# Altium PCB main.PcbDoc (part 2 of 2)
Units mm, origin at the board's own origin, x right, y up, seen from the top; angles counter-clockwise.
Board outline 360 x 125 mm, 2 copper layers (Top Layer, Bottom Layer); 150 components, 259 nets, 682 pads, 0 vias.
Unrouted connection lines stored in the file: 75.
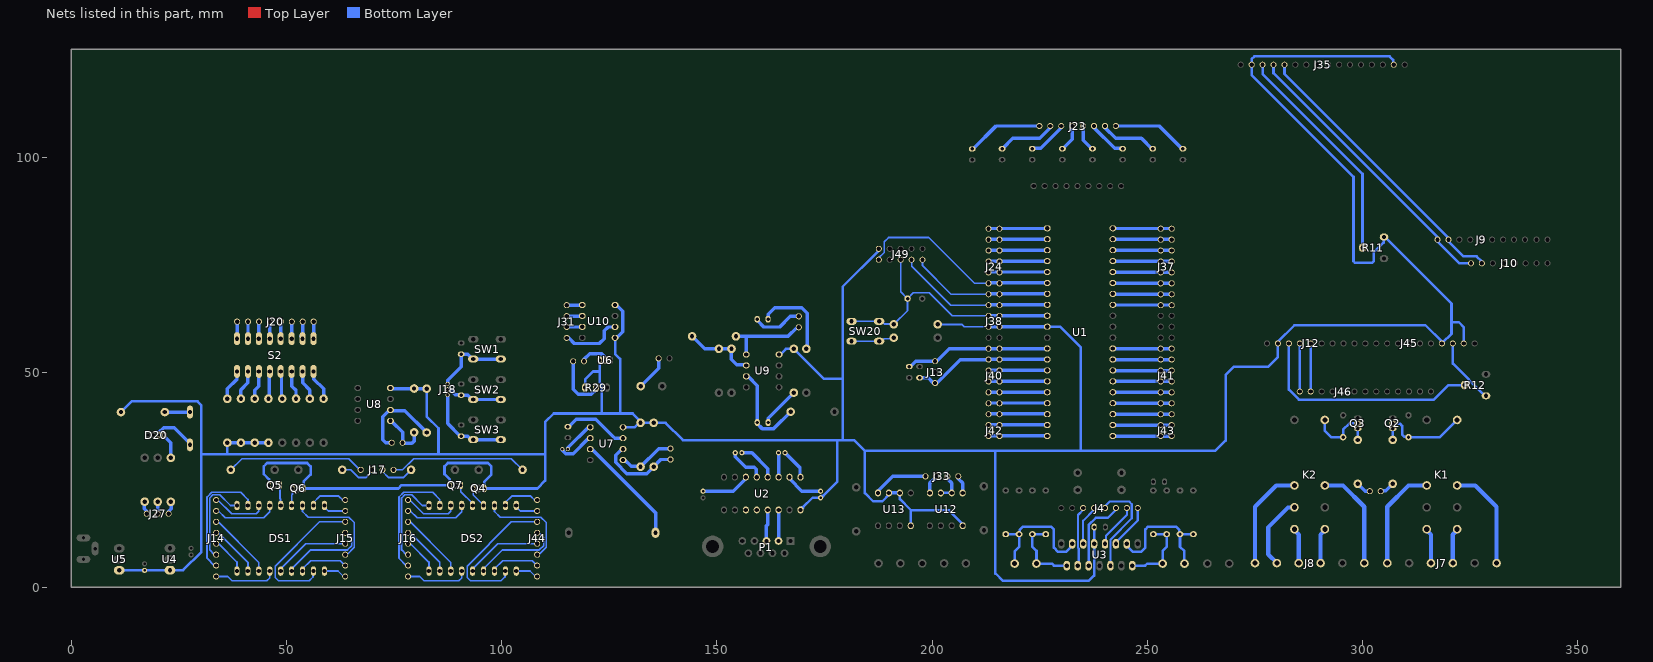
[diagram p2: the nets of this part, all layers, seen from the top]

## Nets (pads, with @x,y where several pads share a name; then routed paths per layer and width w, separated by ;. In a path a pad name is that pad's centre, name@x,y a point inside that pad or via, vN(x,y) a via of type N, cw(c..) or ccw(c..) an arc to the next point about the centre after c; other vN are vias at no path point) (continued)
LEDA_: C4.2 C9.2 C15.1 J12.2 J35.2 J35.15 J38.3 J38.4 J45.8 J48.1 J49.2 Q4.3 Q5.3 Q6.3 Q7.3 R1.2 R11.3 R21.2 R22.2 R23.2 R24.2 R29.3 R30.1 R31.1 R32.2 R33.2 R34.2 R48.1 U1.10 U2.16 U3.9 U4.1 U5.3 U6.3 U7.8 U8.8 U9.8 U10.5 U10.8 U12.8 U13.2 U13.3 U13.8 | length 982.9
  Top Layer w0.4: Q6.3@53.928,22.968 Q6.3@53.928,23.206
  Bottom Layer w0.4: R1.2@201.3,61.1 206.9,61.1 207.44,60.56 J38.3@213.13,60.56
  Bottom Layer w0.6: U5.3@11.1,3.96 C15.1@16.978,3.96 ; R34.2@11.515,40.726 13.989,43.2 29.3,43.2 30.2,42.3 30.2,8.241 25.959,4 U4.1@22.9,4 ; C15.1@17,3.938 U4.1@22.838,3.938 ; 30.28,30.9 36.2,30.9 ; R21.2@36.23,33.6 36.23,30.93 36.2,30.9 ; Q5.3@45.927,23.73 45.927,25.068 44.695,26.3 44.695,28.1 45.495,28.9 54.795,28.9 55.595,28.1 55.595,26.2 53.966,24.571 Q6.3@53.966,23.006 ; Q6.3@53.928,22.968 75.968,22.968 76.73,23.73 Q7.3@87.932,23.73 87.932,25.068 86.7,26.3 86.7,28.1 87.5,28.9 96.8,28.9 97.6,28.1 97.6,26.2 95.971,24.571 95.971,23.006 Q4.3@95.933,22.968 108.268,22.968 110.1,24.8 110.1,30.9 ; R33.2@82.539,46.171 82.539,39.727 85.3,36.966 85.3,30.9 ; R29.3@119.378,46.43 119.378,48.278 121.259,50.159 122.807,50.159 ; U6.3@122.807,52.78 122.807,50.159 ; U10.5@126.34,57.99 126.34,54.26 127.5,53.1 127.5,40.4 ; U7.8@128.186,37.191 130.889,37.191 R31.1@131.925,38.227 ; R31.1@132.25,38.227 R30.1@135.298,38.227 138.073,38.227 142.1,34.2 178,34.2 ; R31.1@132.25,38.552 130.402,40.4 127.5,40.4 ; U9.8@164.74,54.11 166.03,55.4 R48.1@167.841,55.4 ; R48.1@167.87,55.429 174.799,48.5 179.2,48.5 ; U2.16@169.42,17.99 U2.16@169.42,18.228 ; U2.16@169.935,18.505 172.243,20.813 C4.2@174.087,20.813 ; C4.2@174.195,20.813 C4.2@174.519,21.137 ; C4.2@174.584,21.137 178,24.553 178,34.2 ; J49.2@187.62,78.67 187.62,78.27 179.2,69.85 179.2,48.5 ; U13.3@189.966,21.938 189.966,21.538 188.428,20 186.3,20 184.4,21.9 184.4,31.7 ; U13.2@192.506,21.938 192.506,20.471 195.046,17.931 U13.8@195.046,14.318 ; 195.093,17.884 203.945,17.884 U12.8@206.993,14.837 ; U12.8@207.045,14.384 U12.8@207.111,14.318 ; U1.10@226.78,60.57 229.73,60.57 234.6,55.7 234.6,31.7 ; C9.2@237.67,14 237.66,13.99 237.66,10.115 U3.9@237.65,10.105 237.65,2.75 236.4,1.5 216.5,1.5 214.8,3.2 214.7,3.2 214.7,31.7 ; J35.15@307.29,121.45 307.137,121.603 307.137,122.593 306.33,123.4 274.93,123.4 274.27,122.74 J35.2@274.27,121.45 274.27,119.06 297.93,95.4 297.93,75.8 298.33,75.4 302.279,75.4 302.63,75.751 302.63,77.8 304.928,80.098 304.928,81.298 R11.3@305.03,81.4 305.23,81.4 320.7,65.93 320.7,61.7 ; J45.8@318.47,56.68 318.47,57.08 314.65,60.9 284.19,60.9 280.37,57.08 J12.2@280.37,56.68 280.37,53.47 278.163,51.263 270.163,51.263 268.2,49.3 268.2,34.1 265.8,31.7 234.6,31.7 ; J45.8@318.67,56.88 320.7,58.91 320.7,61.7 ; J48.1@323.55,56.68 323.55,60.45 322.4,61.6 320.8,61.6 320.7,61.7 ; 36.2,30.9 85.3,30.9 ; 85.3,30.9 110.1,30.9 ; 110.1,30.9 110.1,31.369 110.1,38.413 112.087,40.4 123.2,40.4 ; 122.807,50.159 122.807,47.538 123.2,47.145 123.2,40.4 ; 123.2,40.4 127.5,40.4 ; 178,34.2 179.4,34.2 ; 179.2,48.5 179.2,34.4 179.4,34.2 ; 179.4,34.2 181.9,34.2 184.4,31.7 ; 184.4,31.7 214.7,31.7 ; 214.7,31.7 234.6,31.7
  Bottom Layer w0.8: U4.1@22.838,3.938 U4.1@22.9,4 ; R21.2@36.23,33.627 R22.2@39.393,33.627 R23.2@42.593,33.627 R24.2@45.793,33.627 ; Q6.3@53.928,22.968 Q6.3@53.966,23.006 ; U8.8@74.04,46.161 82.529,46.161 R33.2@82.539,46.171 ; U10.5@126.702,57.956 128.089,59.343 128.089,64.189 U10.8@126.702,65.576 ; R31.1@131.925,38.227 R31.1@132.25,38.227 R31.1@132.25,38.552 ; U9.8@164.44,54.11 164.74,54.11 U9.8@164.84,54.11 ; R48.1@167.841,55.4 R48.1@167.87,55.429 ; U2.16@169.42,18.228 169.697,18.505 U2.16@169.935,18.505 ; C4.2@174.087,20.813 C4.2@174.195,20.813 ; C4.2@174.519,21.137 C4.2@174.584,21.137 ; U13.3@189.966,21.938 U13.2@192.506,21.938 ; U12.8@206.993,14.837 206.993,14.384 U12.8@207.045,14.384 ; J38.3@213.13,60.56 213.135,60.565 226.775,60.565 U1.10@226.78,60.57
MISO: 
MOSI: 
NC: J10.4
NC1: J8.6 K2.3 | length 24.3
  Bottom Layer w1: J8.6@275.046,5.637 275.046,18.718 279.999,23.671 K2.3@284.216,23.671
NC2: J8.1 K2.6 | length 24.3
  Bottom Layer w1: K2.6@291.276,23.671 295.493,23.671 300.446,18.718 J8.1@300.446,5.637
NC3: J7.6 K1.3 | length 24.3
  Bottom Layer w1: J7.6@305.78,5.637 305.78,18.718 310.733,23.671 K1.3@314.95,23.671
NC5: J7.1 K1.6 | length 24.3
  Bottom Layer w1: K1.6@322.01,23.671 326.227,23.671 331.18,18.718 J7.1@331.18,5.637
NetBT1_1: BT1.1 U7.3 | length 26
  Bottom Layer w0.8: U7.3@120.566,32.111 120.966,32.111 135.74,17.337 BT1.1@135.74,12.68
NetBZ1_1: BZ1.1 J22.1 | length 8.2
  Bottom Layer w0.8: BZ1.1@132.29,46.754 136.46,50.924 J22.1@136.46,53.2
NetC4_1: C4.1 U2.2 | length 8.8
  Bottom Layer w0.8: U2.2@166.88,25.61 166.88,25.21 169.753,22.337 C4.1@174.087,22.337
NetC5_1: C5.1 U2.1 | length 7.2
  Bottom Layer w0.8: C5.1@165.832,31.275 169.305,27.802 169.305,25.725 U2.1@169.42,25.61
NetC5_2: C5.2 U2.3 | length 5.7
  Bottom Layer w0.8: C5.2@164.308,31.275 164.324,31.259 164.324,25.626 U2.3@164.34,25.61
NetC6_1: C6.1 U2.4 | length 9.6
  Bottom Layer w0.8: C6.1@155.799,31.275 158.155,31.275 161.83,27.6 161.83,25.64 U2.4@161.8,25.61
NetC6_2: C6.2 U2.5 | length 8.9
  Bottom Layer w0.8: C6.2@154.275,31.275 154.288,31.262 154.288,30.342 156.73,27.9 158.677,27.9 159.145,27.431 159.145,25.725 U2.5@159.26,25.61
NetC7_2: C7.2 U2.6 | length 11.5
  Bottom Layer w0.8: C7.2@146.782,22.337 153.847,22.337 156.72,25.21 U2.6@156.72,25.61
NetC10_1: C10.1 J18.1 SW1.1 SW1.4 | length 17.9
  Bottom Layer w0.8: J18.1@87.43,47.27 87.43,48.14 90.576,51.286 C10.1@90.576,54.176 92.146,54.176 92.831,53.491 92.831,53.419 93.201,53.049 SW1.4@93.384,53.049 SW1.1@99.784,53.049
NetC11_1: C11.1 J18.2 SW2.1 SW2.4 | length 13.3
  Bottom Layer w0.8: J18.2@87.43,46 87.972,46 89.245,44.728 90.5,44.728 C11.1@90.576,44.651 92.146,44.651 93.146,43.651 SW2.4@93.384,43.651 SW2.1@99.784,43.651
NetC12_1: C12.1 J18.3 SW3.1 SW3.4 | length 20.6
  Bottom Layer w0.8: J18.3@87.43,44.73 87.43,38.072 90.376,35.126 C12.1@90.576,35.126 92.146,35.126 92.956,34.316 SW3.4@93.384,34.316 SW3.1@99.784,34.316
NetC13_1: 
NetC13_2: 
NetD1_1: D1.1 D6.2 J5.2 U3.13 | length 29.9
  Bottom Layer w0.6: D6.2@217.12,12.345 D1.1@220.22,12.345 ; J5.2@219.18,5.525 219.22,5.565 219.22,8.425 220.22,9.425 D1.1@220.22,12.345 ; U3.13@232.61,10.105 232.61,9.715 231.12,8.225 229.32,8.225 228.285,9.26 228.285,13.46 227.62,14.125 221.12,14.125 220.361,13.366 220.361,12.486 D1.1@220.22,12.345
NetD2_1: D2.1 D5.2 J5.1 U3.14 | length 17.6
  Bottom Layer w0.6: D5.2@226.42,12.345 D2.1@223.32,12.345 223.32,9.425 224.26,8.485 J5.1@224.26,5.525 227.82,5.525 228.32,5.025 U3.14@231.34,5.025
NetD9_1: D9.1 K1.5 Q2.2 | length 19.1
  Bottom Layer w0.6: Q2.2@307.05,38.125 307.127,38.048 308.697,38.048 309.22,37.525 309.22,35.525 309.723,35.022 310.583,35.022 D9.1@310.72,34.885 318.004,34.885 K1.5@322.01,38.891
NetD10_1: D10.1 K2.5 Q3.2 | length 13.1
  Bottom Layer w0.6: K2.5@291.276,38.891 291.276,36.369 292.76,34.885 D10.1@295.52,34.885 295.52,36.625 297.02,38.125 Q3.2@298.92,38.125
NetD11_1: D11.1 J23.1 | length 17.8
  Bottom Layer w0.8: D11.1@209.377,101.918 209.577,101.918 214.859,107.2 J23.1@224.94,107.2
NetD12_1: D12.1 J23.2 | length 13.5
  Bottom Layer w0.8: D12.1@216.377,101.918 218.799,104.34 225.02,104.34 227.48,106.8 J23.2@227.48,107.2
NetD13_1: D13.1 J23.3 | length 9.1
  Bottom Layer w0.8: D13.1@223.377,101.918 223.454,101.995 225.215,101.995 230.02,106.8 J23.3@230.02,107.2
NetD14_1: D14.1 J23.4 | length 6.2
  Bottom Layer w0.8: D14.1@230.377,101.918 232.56,104.101 J23.4@232.56,107.2
NetD15_1: D15.1 J23.5 | length 6.3
  Bottom Layer w0.8: J23.5@235.1,107.2 235.1,103.901 237.083,101.918 D15.1@237.283,101.918
NetD16_1: D16.1 J23.6 | length 9.1
  Bottom Layer w0.8: J23.6@237.64,107.2 237.64,106.8 242.445,101.995 244.206,101.995 D16.1@244.283,101.918
NetD17_1: D17.1 J23.7 | length 13.5
  Bottom Layer w0.8: J23.7@240.18,107.2 240.18,106.8 242.64,104.34 248.661,104.34 251.083,101.918 D17.1@251.283,101.918
NetD18_1: D18.1 J23.8 | length 17.8
  Bottom Layer w0.8: J23.8@242.72,107.2 252.801,107.2 258.083,101.918 D18.1@258.283,101.918
NetD19_1: D19.1 U7.7 | length 15.4
  Bottom Layer w0.8: D19.1@115.359,37.318 115.548,37.318 117.33,39.1 121.83,39.1 126.279,34.651 U7.7@128.186,34.651
NetD20_2: D20.2 S3.4 | length 10.2
  Bottom Layer w0.8: D20.2@20.298,35.392 20.336,35.43 20.336,36.016 21.42,37.1 23.943,37.1 27.537,33.506 S3.4@27.537,33.106
NetDS1_1: DS1.1 J14.5 | length 8.7
  Bottom Layer w0.4: J14.5@33.63,10.13 34.2,10.13 38.47,5.86 DS1.1@38.47,3.78
NetDS1_2: DS1.2 J14.4 | length 12.3
  Bottom Layer w0.4: J14.4@33.63,12.67 34.16,12.67 41.01,5.82 DS1.2@41.01,3.78
NetDS1_3: DS1.3 J14.3 | length 15.8
  Bottom Layer w0.4: J14.3@33.63,15.21 34.12,15.21 43.55,5.78 DS1.3@43.55,3.78
NetDS1_4: DS1.4 J14.8 | length 14.8
  Bottom Layer w0.4: J14.8@33.63,2.51 36.32,2.51 37.33,1.5 45.43,1.5 46.09,2.16 DS1.4@46.09,3.78
NetDS1_5: DS1.5 J15.5 | length 17.9
  Bottom Layer w0.4: DS1.5@48.63,3.78 48.63,4.28 54.48,10.13 J15.5@63.63,10.13
NetDS1_6: DS1.6 J15.4 | length 20.5
  Bottom Layer w0.4: DS1.6@51.17,3.78 51.17,4.28 55.58,8.69 64.146,8.69 65.13,9.674 65.13,11.57 64.03,12.67 J15.4@63.63,12.67
NetDS1_7: DS1.7 J15.7 | length 11.7
  Bottom Layer w0.4: DS1.7@53.71,3.78 53.71,4.28 55.63,6.2 62.48,6.2 J15.7@63.63,5.05
NetDS1_8: DS1.8 J15.3 | length 34.1
  Bottom Layer w0.4: DS1.8@56.25,3.78 56.131,3.661 56.131,2.401 55.23,1.5 48.13,1.5 47.352,2.278 47.352,4.922 57.64,15.21 J15.3@63.63,15.21
NetDS1_9: DS1.9 J15.8 | length 5.4
  Bottom Layer w0.4: DS1.9@58.79,3.78 61.96,3.78 63.23,2.51 J15.8@63.63,2.51
NetDS1_10: DS1.10 J15.2 | length 5.6
  Bottom Layer w0.4: DS1.10@58.79,19.02 58.79,18.677 59.717,17.75 J15.2@63.63,17.75
NetDS1_11: DS1.11 J15.1 | length 9.1
  Bottom Layer w0.4: DS1.11@56.25,19.02 56.25,19.72 57.73,21.2 62.102,21.2 63.012,20.29 J15.1@63.63,20.29
NetDS1_12: DS1.12 J15.6 | length 23.1
  Bottom Layer w0.4: DS1.12@53.71,19.02 53.71,17.62 55.02,16.31 64.486,16.31 65.73,15.066 65.73,9.29 64.03,7.59 J15.6@63.63,7.59
NetDS1_13: DS1.13 Q6.1 | length 4
  Bottom Layer w0.4: DS1.13@51.17,19.02 51.17,21.47 51.388,21.688 Q6.1@51.388,22.968
NetDS1_14: DS1.14 Q5.1 | length 4.8
  Bottom Layer w0.4: Q5.1@48.467,23.73 48.467,20.666 48.6,20.533 48.6,19.05 DS1.14@48.63,19.02
NetDS1_15: DS1.15 J14.2 | length 15.1
  Bottom Layer w0.4: J14.2@33.63,17.75 34.18,17.75 35.73,16.2 44.73,16.2 46.09,17.56 DS1.15@46.09,19.02
NetDS1_16: DS1.16 J14.1 | length 12.8
  Bottom Layer w0.4: J14.1@33.63,20.29 34.03,20.29 37.22,17.1 42.993,17.1 43.533,17.64 43.533,19.003 DS1.16@43.55,19.02
NetDS1_17: DS1.17 J14.7 | length 29.1
  Bottom Layer w0.4: J14.7@33.63,5.05 33.23,5.05 31.53,6.75 31.53,20.994 32.636,22.1 39.33,22.1 41.01,20.42 DS1.17@41.01,19.02
NetDS1_18: DS1.18 J14.6 | length 21.7
  Bottom Layer w0.4: J14.6@33.63,7.59 33.23,7.59 32.13,8.69 32.13,20.746 32.884,21.5 34.475,21.5 36.955,19.02 DS1.18@38.47,19.02
NetDS2_1: DS2.1 J16.5 | length 8.7
  Bottom Layer w0.4: J16.5@78.23,10.13 78.8,10.13 83.07,5.86 DS2.1@83.07,3.78
NetDS2_2: DS2.2 J16.4 | length 12.3
  Bottom Layer w0.4: J16.4@78.23,12.67 78.76,12.67 85.61,5.82 DS2.2@85.61,3.78
NetDS2_3: DS2.3 J16.3 | length 15.8
  Bottom Layer w0.4: J16.3@78.23,15.21 78.72,15.21 88.15,5.78 DS2.3@88.15,3.78
NetDS2_4: DS2.4 J16.8 | length 14.8
  Bottom Layer w0.4: J16.8@78.23,2.51 80.92,2.51 81.93,1.5 90.03,1.5 90.69,2.16 DS2.4@90.69,3.78
NetDS2_5: DS2.5 J44.5 | length 17.9
  Bottom Layer w0.4: DS2.5@93.23,3.78 93.23,4.28 99.08,10.13 J44.5@108.23,10.13
NetDS2_6: DS2.6 J44.4 | length 20.5
  Bottom Layer w0.4: DS2.6@95.77,3.78 95.77,4.28 100.18,8.69 108.746,8.69 109.73,9.674 109.73,11.57 108.63,12.67 J44.4@108.23,12.67
NetDS2_7: DS2.7 J44.7 | length 11.7
  Bottom Layer w0.4: DS2.7@98.31,3.78 98.31,4.28 100.23,6.2 107.08,6.2 J44.7@108.23,5.05
NetDS2_8: DS2.8 J44.3 | length 34.1
  Bottom Layer w0.4: DS2.8@100.85,3.78 100.731,3.661 100.731,2.401 99.83,1.5 92.73,1.5 91.952,2.278 91.952,4.922 102.24,15.21 J44.3@108.23,15.21
NetDS2_9: DS2.9 J44.8 | length 5.4
  Bottom Layer w0.4: DS2.9@103.39,3.78 106.56,3.78 107.83,2.51 J44.8@108.23,2.51
NetDS2_10: DS2.10 J44.2 | length 5.6
  Bottom Layer w0.4: DS2.10@103.39,19.02 103.39,18.677 104.317,17.75 J44.2@108.23,17.75
NetDS2_11: DS2.11 J44.1 | length 9.1
  Bottom Layer w0.4: DS2.11@100.85,19.02 100.85,19.72 102.33,21.2 106.702,21.2 107.612,20.29 J44.1@108.23,20.29
NetDS2_12: DS2.12 J44.6 | length 23.1
  Bottom Layer w0.4: DS2.12@98.31,19.02 98.31,17.62 99.62,16.31 109.086,16.31 110.33,15.066 110.33,9.29 108.63,7.59 J44.6@108.23,7.59
NetDS2_13: DS2.13 Q4.1 | length 5.1
  Bottom Layer w0.4: Q4.1@93.393,22.968 93.393,21.468 95.188,19.673 95.4,19.673 95.77,19.304 DS2.13@95.77,19.02
NetDS2_14: DS2.14 Q7.1 | length 5.9
  Bottom Layer w0.4: Q7.1@90.472,23.73 90.472,22.23 93.23,19.472 DS2.14@93.23,19.02
NetDS2_15: DS2.15 J16.2 | length 15.1
  Bottom Layer w0.4: J16.2@78.23,17.75 78.78,17.75 80.33,16.2 89.33,16.2 90.69,17.56 DS2.15@90.69,19.02
NetDS2_16: DS2.16 J16.1 | length 12.8
  Bottom Layer w0.4: J16.1@78.23,20.29 78.63,20.29 81.82,17.1 87.593,17.1 88.133,17.64 88.133,19.003 DS2.16@88.15,19.02
NetDS2_17: DS2.17 J16.7 | length 29.1
  Bottom Layer w0.4: J16.7@78.23,5.05 77.83,5.05 76.13,6.75 76.13,20.994 77.236,22.1 83.93,22.1 85.61,20.42 DS2.17@85.61,19.02
NetDS2_18: DS2.18 J16.6 | length 21.7
  Bottom Layer w0.4: J16.6@78.23,7.59 77.83,7.59 76.73,8.69 76.73,20.746 77.484,21.5 79.075,21.5 81.555,19.02 DS2.18@83.07,19.02
NetJ1_1: 
NetJ1_3: 
NetJ1_4: 
NetJ1_5: 
NetJ2_1: 
NetJ2_2: 
NetJ2_3: 
NetJ2_4: 
NetJ4_1: J4.1 U3.5 | length 10.4
  Bottom Layer w0.5: U3.5@242.73,10.105 242.73,10.46 247.81,15.54 J4.1@247.81,18.425
NetJ4_2: J4.2 U3.7 | length 10.4
  Bottom Layer w0.5: U3.7@240.19,10.105 240.381,10.296 240.381,11.911 245.27,16.8 J4.2@245.27,18.425
NetJ4_3: J4.3 U3.10 | length 17.7
  Bottom Layer w0.6: U3.10@236.38,5.025 236.38,14.466 238.083,16.169 240.874,16.169 242.73,18.025 J4.3@242.73,18.425
NetJ4_4: J4.4 U3.6 | length 23.7
  Bottom Layer w0.5: J4.4@240.19,18.425 240.19,18.825 241.34,19.975 245.746,19.975 246.42,19.301 246.42,16.05 241.46,11.09 U3.6@241.46,5.025
NetJ4_5: J4.5 U3.11 | length 9.4
  Bottom Layer w0.5: U3.11@235.11,10.105 235.11,15.485 237.65,18.025 J4.5@237.65,18.425
NetJ4_6: J4.6 U3.12 | length 14.1
  Bottom Layer w0.5: U3.12@233.84,5.025 234.031,5.216 234.031,6.142 234.1,6.211 234.1,9.025 233.91,9.215 233.91,16.825 235.11,18.025 J4.6@235.11,18.425
NetJ8_4: J8.4 K2.1 | length 8.3
  Bottom Layer w1: K2.1@284.216,13.511 284.216,13.24 285.206,12.25 J8.4@285.206,5.637
NetJ8_5: J8.5 K2.2 | length 17.2
  Bottom Layer w1: J8.5@280.126,5.637 278.094,7.669 278.094,13.892 282.737,18.535 284.16,18.535 K2.2@284.216,18.591
NetJ17_1: J17.1 R13.2 | length 32.2
  Bottom Layer w0.4: R13.2@37.03,27.3 39.63,29.9 64.43,29.9 J17.1@67.03,27.3
NetJ17_2: J17.2 R14.2 | length 8.6
  Bottom Layer w0.4: R14.2@62.93,27.3 64.93,27.3 66.73,25.5 68.365,25.5 69.765,26.9 J17.2@69.765,27.3
NetJ17_3: J17.3 R15.2 | length 8.4
  Bottom Layer w0.4: J17.3@72.305,27.3 72.305,26.9 73.705,25.5 77.13,25.5 R15.2@78.93,27.3
NetJ17_4: J17.4 R16.2 | length 32.1
  Bottom Layer w0.4: J17.4@74.845,27.3 76.95,27.3 79.55,29.9 102.23,29.9 R16.2@104.83,27.3
NetJ19_2: 
NetJ19_4: 
NetJ19_5: 
NetJ19_9: 
NetJ20_1: J20.1 S2.24 | length 4
  Bottom Layer w0.8: S2.24@38.479,57.797 38.492,57.811 38.492,61.729 J20.1@38.506,61.742
NetJ20_2: J20.2 S2.23 | length 4
  Bottom Layer w0.6: S2.23@41.019,57.797 S2.23@41.032,57.811 ; J20.2@41.032,61.729 J20.2@41.046,61.742
  Bottom Layer w0.8: S2.23@41.032,57.811 J20.2@41.032,61.729
NetJ20_3: J20.3 S2.22 | length 4
  Bottom Layer w0.8: S2.22@43.559,57.797 43.572,57.811 43.572,61.729 J20.3@43.586,61.742
NetJ20_4: J20.4 S2.21 | length 4
  Bottom Layer w0.8: S2.21@46.099,57.797 46.112,57.811 46.112,61.729 J20.4@46.126,61.742
NetJ20_5: J20.5 S2.20 | length 3.9
  Bottom Layer w0.8: S2.20@48.666,57.824 J20.5@48.666,61.742
NetJ20_6: J20.6 S2.19 | length 3.9
  Bottom Layer w0.8: S2.19@51.206,57.824 J20.6@51.206,61.742
NetJ20_7: J20.7 S2.18 | length 4
  Bottom Layer w0.6: S2.18@53.225,58.388 S2.18@53.257,58.388
  Bottom Layer w0.8: S2.18@53.746,57.824 J20.7@53.746,61.742
NetJ20_8: J20.8 S2.17 | length 3.9
  Bottom Layer w0.8: S2.17@56.286,57.824 J20.8@56.286,61.742
NetJ21_1: J21.1 U6.2 | length 7
  Bottom Layer w0.8: J21.1@119.124,52.526 119.124,52.994 120.43,54.3 123.243,54.3 124.039,53.504 124.039,52.818 U6.2@124.077,52.78
NetJ21_2: J21.2 R29.2 | length 13.3
  Bottom Layer w0.8: J21.2@116.584,52.526 116.584,46.046 117.806,44.824 120.829,44.824 121.918,45.914 R29.2@121.918,46.43
NetJ27_1: J27.1 R35.2 | length 3.1
  Bottom Layer w0.8: J27.1@22.584,17.104 22.584,17.666 23.186,18.268 23.186,19.784 R35.2@23.092,19.878
NetJ27_2: J27.2 R36.2 | length 2.8
  Bottom Layer w0.8: J27.2@20.044,17.104 R36.2@20.044,19.878
NetJ27_3: J27.3 R37.2 | length 3.1
  Bottom Layer w0.8: R37.2@16.996,19.878 16.902,19.784 16.902,18.268 17.504,17.666 J27.3@17.504,17.104
NetJ30_1: J30.1 LED1.1 | length 11.6
  Bottom Layer w0.8: LED1.1@159.36,62.3 159.36,62.021 160.881,60.5 164.6,60.5 167.07,62.97 J30.1@169.03,62.97
NetJ30_2: J30.2 R51.1 U9.1 | length 19.7
  Bottom Layer w0.8: R51.1@154.428,58.33 156.83,58.33 ; U9.1@156.82,54.11 156.82,58.32 156.83,58.33 ; J30.2@169.03,60.43 168.63,60.43 166.53,58.33 156.83,58.33
NetJ31_1: J31.1 U10.1 | length 3.7
  Bottom Layer w0.8: J31.1@115.097,65.576 U10.1@118.769,65.576
NetJ31_2: J31.2 U10.2 | length 3.7
  Bottom Layer w0.8: J31.2@115.097,63.036 U10.2@118.769,63.036
NetJ31_3: J31.3 U10.3 | length 3.7
  Bottom Layer w0.8: J31.3@115.097,60.496 U10.3@118.769,60.496
NetJ31_4: J31.4 U10.6 | length 14.5
  Bottom Layer w0.8: J31.4@115.097,57.956 115.584,57.956 116.884,56.656 122.686,56.656 123.83,57.8 123.83,59.6 124.726,60.496 U10.6@126.389,60.496
NetJ32_1: 
NetJ33_1: J33.1 U12.1 | length 4.3
  Bottom Layer w0.8: J33.1@206.093,25.784 206.093,25.257 207.111,24.238 U12.1@207.111,21.938
NetJ33_2: J33.2 U12.2 U12.3 | length 6.8
  Bottom Layer w0.6: U12.3@202.031,21.938 U12.2@204.571,21.938
  Bottom Layer w0.8: J33.2@203.553,25.784 203.553,25.257 204.571,24.238 U12.2@204.571,21.938
NetJ33_3: J33.3 U12.4 | length 4.6
  Bottom Layer w0.8: U12.4@199.491,21.938 199.491,24.238 200.522,25.27 200.736,25.27 201.013,25.547 J33.3@201.013,25.784
NetJ33_4: J33.4 U13.4 | length 12.9
  Bottom Layer w0.8: U13.4@187.426,21.938 187.426,22.338 190.872,25.784 J33.4@198.473,25.784
NetJ36_1: J36.1 R10.1 | length 3.5
  Bottom Layer w0.8: R10.1@298.97,24.004 300.622,22.352 J36.1@301.716,22.352 J36.1@301.764,22.304
NetJ36_2: J36.2 R9.1 | length 3.5
  Bottom Layer w0.8: J36.2@304.256,22.352 304.304,22.4 305.398,22.4 R9.1@307.05,24.052
NetLED1_2: LED1.2 R49.1 | length 19.8
  Bottom Layer w0.8: LED1.2@161.9,62.3 161.9,63.5 163.4,65 169.7,65 171,63.7 171,55.638 R49.1@170.791,55.429
NetLED2_1: LED2.1 R50.1 U9.3 | length 22.1
  Bottom Layer w0.8: U9.3@156.82,49.03 157.22,49.03 159.36,46.89 LED2.1@159.36,38.3 159.36,38.021 160.481,36.9 163.23,36.9 R50.1@167.13,40.8
NetLED2_2: LED2.2 R48.2 | length 9.4
  Bottom Layer w0.8: LED2.2@161.9,38.3 161.977,38.377 161.977,39.336 R48.2@167.87,45.229
NetPS1_1: 
NetPS1_5: 
NetQ2_3: Q2.3 R9.2 | length 2.6
  Bottom Layer w0.6: R9.2@307.05,34.252 Q2.3@307.05,36.855
NetQ3_3: Q3.3 R10.2 | length 2.6
  Bottom Layer w0.6: Q3.3@298.92,36.855 298.921,36.854 298.921,34.253 R10.2@298.922,34.252
NetR2_2: R2.2 SW20.1 SW20.4 | length 10.1
  Bottom Layer w0.4: SW20.4@181.3,57.2 SW20.1@187.7,57.2 ; SW20.1@188.316,57.2 188.9,57.784 190.883,57.784 R2.2@191.1,58
  Bottom Layer w0.8: SW20.1@187.7,57.2 SW20.1@188.316,57.2
NetR21_1: R21.1 S2.1 | length 7.3
  Bottom Layer w0.8: R21.1@36.193,43.827 36.193,46.113 38.479,48.399 S2.1@38.479,50.177
NetR22_1: R22.1 S2.2 | length 7
  Bottom Layer w0.8: R22.1@39.393,43.827 39.368,43.852 39.368,45.859 41.019,47.51 S2.2@41.019,50.177
NetR23_1: R23.1 S2.3 | length 6.8
  Bottom Layer w0.8: R23.1@42.593,43.827 42.593,45.782 43.559,46.748 S2.3@43.559,50.177
NetR24_1: R24.1 S2.4 | length 6.5
  Bottom Layer w0.8: R24.1@45.793,43.827 45.946,43.98 45.946,50.024 S2.4@46.099,50.177
NetR25_1: R25.1 S2.5 | length 6.5
  Bottom Layer w0.8: S2.5@48.639,50.177 48.816,50 48.816,44.004 R25.1@48.993,43.827
NetR26_1: R26.1 S2.6 | length 6.8
  Bottom Layer w0.8: S2.6@51.227,50.177 51.227,46.748 52.193,45.782 R26.1@52.193,43.827
NetR27_1: R27.1 S2.7 | length 7
  Bottom Layer w0.8: S2.7@53.767,50.177 53.767,47.51 55.418,45.859 R27.1@55.418,43.852
NetR28_1: R28.1 S2.8 | length 7.3
  Bottom Layer w0.8: S2.8@56.307,50.177 56.307,48.399 58.593,46.113 R28.1@58.593,43.827
NetR34_1: R34.1 S3.1 | length 5.8
  Bottom Layer w0.8: R34.1@21.715,40.726 S3.1@27.537,40.726
NetR38_1: 
NetR39_1: 
NetR40_1: 
NetR51_2: R51.2 R52.1 R53.1 U9.2 | length 16.9
  Bottom Layer w0.8: R51.2@144.228,58.33 147.129,55.429 R53.1@150.471,55.429 R52.1@153.392,55.429 153.352,55.389 153.352,52.978 154.645,51.685 156.705,51.685 U9.2@156.82,51.57
NetR54_1: 
NetR55_1: 
NetR56_2: 
NetSW8_1: 
NetSW16_2: 
NetU7_1: U7.1 Y1.2 | length 7.5
  Bottom Layer w0.8: Y1.2@115.359,32.111 115.38,32.132 115.38,32.405 120.166,37.191 U7.1@120.566,37.191
NetU7_2: U7.2 Y1.1 | length 8.5
  Bottom Layer w0.8: Y1.1@114.089,32.111 114.11,32.09 114.11,31.868 114.922,31.056 116.571,31.056 120.166,34.651 U7.2@120.566,34.651
NO2: J8.3 K2.8 | length 8.3
  Bottom Layer w1: J8.3@290.286,5.637 290.286,12.25 291.276,13.24 K2.8@291.276,13.511
NO3: J7.4 K1.1 | length 8.3
  Bottom Layer w1: K1.1@314.95,13.511 314.95,13.24 315.94,12.25 J7.4@315.94,5.637
NO4: J7.3 K1.8 | length 8.3
  Bottom Layer w1: J7.3@321.02,5.637 321.02,12.25 322.01,13.24 K1.8@322.01,13.511
OUT1: D3.1 D8.2 J6.2 U3.2 | length 17.6
  Bottom Layer w0.6: U3.2@246.5,5.025 249.52,5.025 250.02,5.525 J6.2@253.58,5.525 253.58,8.485 254.52,9.425 D3.1@254.52,12.345 D8.2@251.42,12.345
OUT2: D4.1 D7.2 J6.1 U3.3 | length 29.6
  Bottom Layer w0.6: U3.3@245.23,10.105 245.23,9.715 246.72,8.225 248.52,8.225 249.555,9.26 249.555,13.46 250.22,14.125 256.72,14.125 257.479,13.366 D4.1@257.479,12.486 ; J6.1@258.62,5.565 258.62,8.425 257.62,9.425 D4.1@257.62,12.345 D7.2@260.72,12.345
PA0: J37.1 J37.2 U1.40 | length 13.7
  Bottom Layer w0.8: U1.40@242.02,83.43 242.065,83.385 255.625,83.385 J37.2@255.67,83.34
PA1: J37.3 J37.4 U1.39 | length 13.7
  Bottom Layer w0.5: U1.39@242.02,80.89 U1.39@242.065,80.845 ; J37.4@255.625,80.845 J37.4@255.67,80.8
  Bottom Layer w0.8: U1.39@242.065,80.845 J37.4@255.625,80.845
PA2: J37.5 J37.6 U1.38 | length 13.6
  Bottom Layer w0.8: U1.38@242.065,78.305 J37.6@255.625,78.305
PA3: J37.7 J37.8 U1.37 | length 13.6
  Bottom Layer w0.8: U1.37@242.065,75.765 J37.8@255.625,75.765
PA4: J37.9 J37.10 U1.36 | length 13.6
  Bottom Layer w0.5: U1.36@242.02,73.27 U1.36@242.035,73.285
  Bottom Layer w0.8: U1.36@242.08,73.24 J37.10@255.64,73.24
PA5: J37.11 J37.12 U1.35 | length 13.6
  Bottom Layer w0.8: U1.35@242.08,70.7 J37.12@255.64,70.7
PA6: J37.13 J37.14 U1.34 | length 13.6
  Bottom Layer w0.8: U1.34@242.065,68.145 J37.14@255.625,68.145
PA7: J37.15 J37.16 U1.33 | length 13.6
  Bottom Layer w0.8: U1.33@242.065,65.605 J37.16@255.625,65.605
PB0: J24.1 J24.2 U1.1 | length 13.7
  Bottom Layer w0.8: J24.1@213.13,83.34 213.175,83.385 226.735,83.385 U1.1@226.78,83.43
PB1: J24.3 J24.4 U1.2 | length 13.7
  Bottom Layer w0.8: J24.3@213.13,80.8 213.175,80.845 226.735,80.845 U1.2@226.78,80.89
PB2: J24.5 J24.6 U1.3 | length 13.6
  Bottom Layer w0.8: J24.5@213.22,78.35 U1.3@226.78,78.35
PB3: J24.7 J24.8 U1.4 | length 13.6
  Bottom Layer w0.8: J24.7@213.22,75.81 U1.4@226.78,75.81
PB4: J24.9 J24.10 U1.5 | length 13.6
  Bottom Layer w0.8: J24.9@213.22,73.27 U1.5@226.78,73.27
PB5: J24.11 J24.12 J49.1 U1.6 | length 47.7
  Bottom Layer w0.4: J49.1@187.64,76.16 187.64,76.56 188.887,77.807 188.887,80.287 189.9,81.3 199.2,81.3 209.86,70.64 J24.11@213.13,70.64
  Bottom Layer w0.8: J24.11@213.22,70.73 U1.6@226.78,70.73 U1.6@227.18,70.73
PB6: J24.13 J24.14 J49.9 U1.7 | length 33.3
  Bottom Layer w0.4: J49.9@197.8,76.16 197.8,74.7 204.4,68.1 J24.13@213.13,68.1
  Bottom Layer w0.6: U1.7@226.78,68.19 U1.7@226.964,68.19
  Bottom Layer w0.8: J24.13@213.22,68.19 215.67,68.19 U1.7@226.78,68.19
PB7: J24.15 J24.16 J49.7 U1.8 | length 36.7
  Bottom Layer w0.4: J49.7@195.26,76.16 195.26,74.64 204.34,65.56 J24.15@213.13,65.56
  Bottom Layer w0.8: J24.15@213.22,65.65 215.67,65.65 U1.8@226.78,65.65
PC0: J43.1 J43.2 U1.22 | length 13.6
  Bottom Layer w0.8: U1.22@242.065,37.665 J43.2@255.625,37.665
PC1: J41.15 J41.16 U1.23 | length 13.6
  Bottom Layer w0.8: U1.23@242.065,40.205 J41.16@255.625,40.205
PC2: J41.13 J41.14 U1.24 | length 13.6
  Bottom Layer w0.8: U1.24@242.065,42.745 J41.14@255.625,42.745
PC3: J41.11 J41.12 U1.25 | length 13.6
  Bottom Layer w0.8: U1.25@242.08,45.3 J41.12@255.64,45.3
PC4: J41.9 J41.10 U1.26 | length 13.6
  Bottom Layer w0.8: U1.26@242.08,47.84 J41.10@255.64,47.84
PC5: J41.7 J41.8 U1.27 | length 13.6
  Bottom Layer w0.8: U1.27@242.065,50.365 J41.8@255.625,50.365
PC6: J41.5 J41.6 U1.28 | length 13.6
  Bottom Layer w0.8: U1.28@242.065,52.905 J41.6@255.625,52.905
PC7: J41.3 J41.4 U1.29 | length 13.6
  Bottom Layer w0.8: U1.29@242.065,55.445 J41.4@255.625,55.445
PD0: J40.7 J40.8 U1.14 | length 13.6
  Bottom Layer w0.8: J40.7@213.265,50.455 U1.14@226.825,50.455
PD1: J40.9 J40.10 U1.15 | length 13.6
  Bottom Layer w0.8: J40.9@213.265,47.915 U1.15@226.825,47.915
PD2: J40.11 J40.12 U1.16 | length 13.6
  Bottom Layer w0.8: J40.11@213.265,45.375 U1.16@226.825,45.375
PD3: J40.13 J40.14 U1.17 | length 13.6
  Bottom Layer w0.8: J40.13@213.265,42.835 U1.17@226.825,42.835
PD4: J40.15 J40.16 U1.18 | length 13.6
  Bottom Layer w0.8: J40.15@213.265,40.295 U1.18@226.825,40.295
PD5: J42.1 J42.2 U1.19 | length 13.6
  Bottom Layer w0.8: J42.1@213.265,37.755 U1.19@226.825,37.755
PD6: J42.3 J42.4 U1.20 | length 13.6
  Bottom Layer w0.8: J42.3@213.265,35.215 U1.20@226.825,35.215
PD7: J43.3 J43.4 U1.21 | length 13.6
  Bottom Layer w0.8: U1.21@242.065,35.125 J43.4@255.625,35.125
RED: D20.1 R35.1 | length 5.9
  Bottom Layer w0.8: D20.1@21.568,35.392 21.568,35.092 23.092,33.568 R35.1@23.092,30.078
RESET: C3.1 J38.1 J38.2 J49.5 R1.1 SW20.2 SW20.3 U1.9 | length 62.3
  Bottom Layer w0.4: SW20.3@181.3,61.8 SW20.2@187.7,61.8 ; SW20.2@188.316,61.8 188.9,61.216 190.983,61.216 R1.1@191.1,61.1 194.3,64.3 C3.1@194.3,67.1 ; J49.5@192.72,76.16 192.72,68.68 C3.1@194.3,67.1 ; J38.1@213.13,63.1 204.686,63.1 199.336,68.45 195.65,68.45 C3.1@194.3,67.1
  Bottom Layer w0.8: SW20.2@187.7,61.8 SW20.2@188.316,61.8 ; J38.1@213.22,63.11 U1.9@226.78,63.11
RS: J9.1 J10.1 J35.4 | length 66.7
  Bottom Layer w0.6: J35.4@279.35,121.45 279.35,119.48 317.46,81.37 317.46,80.399 322.559,75.3 J10.1@325.23,75.3
RS_: J12.4 J46.1 | length 11.2
  Bottom Layer w0.6: J46.1@285.445,45.485 285.447,45.488 285.447,56.677 J12.4@285.45,56.68
RW: J9.2 J10.2 J35.5 | length 67
  Bottom Layer w0.6: J35.5@281.89,121.45 281.893,121.447 281.893,119.337 320,81.23 320,80.399 323.499,76.9 326.57,76.9 327.77,75.7 J10.2@327.77,75.3
RW_: J12.5 J46.2 | length 11.2
  Bottom Layer w0.6: J46.2@287.985,45.485 287.987,45.488 287.987,56.677 J12.5@287.99,56.68
RX: P1.3 U2.13 | length 7.3
  Bottom Layer w0.8: P1.3@161.517,10.778 161.517,14.287 161.8,14.57 U2.13@161.8,17.99
RXD: U2.12
SCK: 
SCL: J25.2 R30.2 U7.6 | length 19.1
  Bottom Layer w0.8: U7.6@128.186,32.111 127.873,32.111 126.486,30.724 126.486,29.033 129.092,26.427 133.698,26.427 R30.2@135.298,28.027 136.969,29.698 J25.2@139.219,29.698
SCLE: J26.1 R33.1 U8.6 | length 20.7
  Bottom Layer w0.8: J26.1@74.411,33.597 74.408,33.6 73.03,33.6 72.33,34.3 72.33,39.684 73.717,41.071 74.03,41.071 77.439,41.071 R33.1@82.539,35.971
SDA: J25.1 R31.2 U7.5 | length 13.4
  Bottom Layer w0.8: U7.5@128.186,29.571 128.644,29.571 130.05,28.165 132.112,28.165 R31.2@132.25,28.027 136.461,32.238 J25.1@139.219,32.238
SDAE: J26.2 R32.1 U8.5 | length 11.3
  Bottom Layer w0.8: U8.5@74.03,38.531 74.43,38.531 76.951,36.01 J26.2@76.951,33.597 77.131,33.597 77.228,33.5 79.149,33.5 79.618,33.969 R32.1@79.618,35.951
SS: 
SWITCH: 
TX: P1.2 U2.14 | length 7.2
  Bottom Layer w0.8: P1.2@164.317,10.778 164.328,10.789 164.328,17.979 U2.14@164.34,17.99
TXD: U2.11
VEE_: J45.9 R12.1 | length 15.5
  Bottom Layer w0.6: J45.9@321.01,56.68 321.01,52.02 328.53,44.5 R12.1@328.73,44.5
VL: J35.3 R11.2 | length 52.2
  Bottom Layer w0.6: J35.3@276.81,121.45 276.81,119.32 300.03,96.1 R11.2@300.03,78.9
VOUT_: J12.3 R12.2 | length 53.9
  Bottom Layer w0.6: J12.3@282.91,56.68 282.91,45.923 285.233,43.6 316.63,43.6 320.03,47 R12.2@323.73,47
XTAL1: C1.1 J13.1 J40.5 J40.6 U1.13 | length 32.4
  Bottom Layer w0.8: C1.1@197.1,48.7 199.1,48.7 200.34,47.46 J13.1@200.7,47.46 201.1,47.46 206.56,52.92 J40.5@213.13,52.92 ; J40.5@213.22,52.95 U1.13@226.78,52.95
XTAL2: C2.1 J13.3 J40.3 J40.4 U1.12 | length 33.7
  Bottom Layer w0.8: C2.1@194.7,51.3 194.966,51.3 196.206,52.54 J13.3@200.7,52.54 201.1,52.54 204.02,55.46 J40.3@213.13,55.46 ; J40.3@213.22,55.49 U1.12@226.78,55.49
pads on no net: J13.2 J49.3 P1.1 P1.4 P1.6 P1.7 P1.8 P1.9 P1.MH1 P1.MH2 U2.7 U2.8 U2.9 U2.10 U2.15 U9.5 U9.6 U9.7 U13.1

## Polygon pours and split planes (outlines as drawn)
GND on Bottom Layer "GND_L02_P000" (solid, pour order 0): 0,0 360,0 360,125 0,125

## Keep-outs
Keep-Out Layer:
  the board outline again, w0.2

## Other copper
Bottom Layer:
  region net GND: 189.5,79.8 198.5,79.8 198.5,77.6 189.5,77.6

## Silkscreen, mask and mechanical layers (free items; w line width, h text height)
Top Overlay:
  lines w0.2: 30.1,0.3 0.2,0.3 0.2,15.4 30.1,15.4 ; 30.2,0.3 30.2,15.4 ; 344.43,124.2 344.43,73.2 263.83,73.2 ; 263.83,73.2 263.83,54.18 263.95,54.18 356.95,54.18 356.95,124.18 263.83,124.18 263.83,73.2 ; 9.757,15.834 9.757,43.012 30.204,43.012 30.204,15.834 9.757,15.834 ; 30.73,0.3 30.73,29.4 110.83,29.4 110.83,0.3 30.73,0.3 ; 30.732,31.635 64.26,31.635 64.26,63.766 30.859,63.766 30.732,63.766 30.732,31.635 ; 64.632,31.673 84.825,31.673 84.825,51.612 64.632,51.612 64.632,31.673 ; 85.369,31.7 103.03,31.7 103.03,61.445 85.369,61.445 85.369,47.348 85.369,31.7 ; 111.295,0.361 141.13,0.361 141.13,40.239 111.295,40.239 111.295,0.361 ; 112.927,55.543 128.929,55.543 128.929,70.529 112.927,70.529 112.927,55.543 ; 114.63,41.6 114.63,55.3 127.252,55.3 127.252,41.6 114.63,41.6 ; 127.63,41.674 140.73,41.674 140.73,54.8 127.63,54.8 127.63,41.674 ; 141.53,0.35 141.53,33.925 179.43,33.925 179.43,0.35 141.53,0.35 ; 141.53,34.6 141.53,66.1 179.03,66.1 179.03,34.6 141.53,34.6 ; 179.7,55.8 202.9,55.8 202.9,71.8 179.7,71.8 179.7,55.8 ; 179.893,0.348 179.893,31.971 214.826,31.971 214.826,0.348 179.893,0.348 ; 182.2,72.6 203.2,72.6 203.2,84.6 182.2,84.6 182.2,72.6 ; 187.9,45.1 202.9,45.1 202.9,55 187.9,55 187.9,45.1 ; 205.1,32.5 262.4,32.5 262.4,86.1 262.4,90.1 205.1,90.1 205.1,32.5 ; 205.1,90.748 205.1,109.2 262.4,109.2 262.4,90.748 205.1,90.748 ; 215.12,0.425 271.92,0.425 271.92,28.325 215.12,28.325 215.12,0.425 ; 272.22,0.425 334.02,0.425 334.02,42.025 272.22,42.025 272.22,0.425
  text "LCD_16*2" at 338.63,120.8 h3 r270
  text "GLCD_128*64" at 349.73,120.8 h3 r270
  text "LED2" at 214.533,101.931 h0.7 r270
  text "LED3" at 221.533,101.931 h0.7 r270
  text "LED4" at 228.533,101.931 h0.7 r270
  text "LED5" at 235.533,101.931 h0.7 r270
  text "LED6" at 242.533,101.931 h0.7 r270
  text "LED7" at 249.533,101.931 h0.7 r270
  text "LED8" at 256.533,101.931 h0.7 r270
  text "LED1" at 207.58,101.766 h0.7 r270
  text "330R" at 231.997,92.7 h1
  text "LED" at 206.784,92.049 h3
  text "LED" at 252.784,92.049 h3
  text "MICRO" at 227.652,86.1 h3
  text "D1" at 328.081,82.763 h1.4 r90
  text "D0" at 325.473,82.678 h1.4 r90
  text "D2" at 330.581,82.681 h1.4 r90
  text "D4" at 335.679,82.678 h1.4 r90
  text "D3" at 333.173,82.676 h1.4 r90
  text "D5" at 338.371,82.673 h1.4 r90
  text "D6" at 340.973,82.676 h1.4 r90
  text "D7" at 343.479,82.676 h1.4 r90
  text "EN" at 322.979,82.631 h1.4 r90
  text "PROGRAMMER" at 185.336,82.608 h1.52
  text "RS" at 317.879,82.612 h1.4 r90
  text "RW" at 320.379,82.413 h1.4 r90
  text "LCD" at 310.564,81.1 h0.8
  text "8Pins Data" at 307.898,79.8 h0.8
  text "D4" at 335.879,77.078 h1.4 r90
  text "D5" at 338.371,77.073 h1.4 r90
  text "D6" at 340.973,77.076 h1.4 r90
  text "D7" at 343.479,77.076 h1.4 r90
  text "EN" at 330.779,77.031 h1.4 r90
  text "RS" at 325.679,77.012 h1.4 r90
  text "NC" at 333.279,76.968 h1.4 r90
  text "RW" at 328.279,76.913 h1.4 r90
  text "LCD" at 318.364,75.6 h0.8
  text "4Pins Data" at 315.698,74.3 h0.8
  text "10uF" at 194.389,69.205 h1
  text "Digital Pot" at 113.553,68.505 h1.5
  text "RESET" at 180.6,66.3 h2
  text "MC41010" at 121.93,65.599 h1.2 r270
  text "INFRA RED" at 174.13,65.1 h2.5 r270
  text "TX" at 153.33,62.9 h2
  text "RST" at 208.85,62.65 h1
  text "AREF" at 257.498,62.45 h1
  text "10K" at 194.95,60.6 h1
  text "SWITCHES" at 86.584,60.546 h1.2 r270
  text "GND" at 257.498,60.05 h1
  text "PULLUP DSW" at 32.03,59 h1.5 r270
  text "PULLDOWN DSW" at 60.758,58.694 h1.5 r270
  text "100R" at 147.751,57.8 h1
  text "100R" at 194.451,57.5 h1
  text "Clock" at 189.3,54.4 h2 r270
  text "LM358" at 159.98,53.132 h1.3 r270
  text "BUZZER" at 128.031,52.6 h1.2
  text "330R" at 167.43,52.233 h1 r270
  text "220R" at 170.33,52.233 h1 r270
  text "100R" at 149.93,52.179 h1 r270
  text "100R" at 152.73,52.179 h1 r270
  text "TEMP SENSOR" at 115.598,49.1 h1
  text "EEPROM" at 69.254,48.834 h2
  text "D1" at 295.981,47.463 h1.4 r90
  text "D0" at 293.373,47.378 h1.4 r90
  text "D2" at 298.481,47.381 h1.4 r90
  text "D3" at 301.073,47.376 h1.4 r90
  text "D4" at 303.579,47.378 h1.4 r90
  text "D5" at 306.271,47.373 h1.4 r90
  text "D6" at 308.873,47.376 h1.4 r90
  text "D7" at 311.379,47.376 h1.4 r90
  text "EN" at 290.879,47.331 h1.4 r90
  text "CS1" at 314.049,47.327 h1.4 r90
  text "RS" at 285.779,47.312 h1.4 r90
  text "CS2" at 316.349,47.245 h1.4 r90
  text "RW" at 288.279,47.113 h1.4 r90
  text "AT24C04" at 69.58,46.632 h1.3 r270
  text "GLCD" at 278.064,45.7 h0.8
  text "13Pins Data" at 275.465,44.4 h0.8
  text "10K" at 79.13,42.35 h1 r270
  text "10K" at 82.03,42.25 h1 r270
  text "SWITCHES" at 86.584,41.146 h1.2 r270
  text "10K" at 170.85,40.3 h1
  text "330R" at 14.431,40.1 h1.2
  text "10K" at 35.73,39.95 h1 r270
  text "10K" at 38.93,39.95 h1 r270
  text "10K" at 42.13,39.95 h1 r270
  text "10K" at 45.33,39.95 h1 r270
  text "10K" at 48.53,39.95 h1 r270
  text "10K" at 51.73,39.95 h1 r270
  text "10K" at 54.93,39.95 h1 r270
  text "10K" at 58.13,39.95 h1 r270
  text "ATMEGA32/ATMEGA16" at 235.65,38.682 h2.5 r90
  text "RELAY" at 329.22,38.125 h3 r270
  text "DS1307" at 123.58,37.524 h1.5 r270
  text "PD5" at 208.73,37.37 h1
  text "PC0" at 257.498,37.05 h1
  text "RX" at 153.33,35.7 h2
  text "PD6" at 208.78,34.68 h1
  text "PD7" at 257.468,34.48 h1
  text "10K" at 131.835,34.241 h1 r270
  text "10K" at 134.835,34.241 h1 r270
  text "RS232" at 142.365,30.8 h2
  text "RS232" at 169.365,30.8 h2
  text "RGB" at 11.53,29.099 h3 r270
  text "RGB" at 25.53,29.099 h3 r270
  text "RS485" at 191.374,28.39 h2.5
  text "220R" at 16.43,27.199 h1.2 r270
  text "220R" at 19.43,27.199 h1.2 r270
  text "220R" at 22.43,27.199 h1.2 r270
  text "1K" at 41.33,26.7 h1.2
  text "1K" at 56.93,26.7 h1.2
  text "1K" at 83.23,26.7 h1.2
  text "1K" at 98.83,26.7 h1.2
  text "RELAY" at 277.92,25.125 h3 r90
  text "DC Motor" at 216.189,24.425 h2
  text "DC Motor" at 256.289,24.325 h2
  text "7-SEGMENTS" at 60.866,22.7 h2
  text "RTC" at 132.13,22.4 h3
  text "MAX232" at 154.865,20.7 h2
  text "120R" at 211.548,19.878 h1 r270
  text "120R" at 181.862,19.751 h1 r270
  text "ADM485" at 187.115,17.252 h1.5
  text "ADM485" at 199.053,17.252 h1.5
  text "POWER" at 10.235,12.8 h2

## Text inside footprints (layer, text, board x,y; h text height)
DS1: Top Overlay "g" at 43.939,12.289 h0.76; Top Overlay "p" at 47.876,7.463 h0.76; Top Overlay "b" at 45.59,13.559 h0.76; Top Overlay "e" at 42.288,8.225 h0.76; Top Overlay "c" at 45.59,8.352 h0.76; Top Overlay "d" at 43.939,6.701 h0.76; Top Overlay "f" at 42.288,13.432 h0.76; Top Overlay "a" at 43.812,15.591 h0.76
DS2: Top Overlay "a" at 88.412,15.591 h0.76; Top Overlay "f" at 86.888,13.432 h0.76; Top Overlay "d" at 88.539,6.701 h0.76; Top Overlay "c" at 90.19,8.352 h0.76; Top Overlay "e" at 86.888,8.225 h0.76; Top Overlay "b" at 90.19,13.559 h0.76; Top Overlay "p" at 92.476,7.463 h0.76; Top Overlay "g" at 88.539,12.289 h0.76
J24: Top Overlay "PB7" at 208.8,65.052 h1; Top Overlay "PB6" at 208.8,67.592 h1; Top Overlay "PB5" at 208.8,70.132 h1; Top Overlay "PB4" at 208.8,72.672 h1; Top Overlay "PB3" at 208.8,75.212 h1; Top Overlay "PB2" at 208.8,77.752 h1; Top Overlay "PB1" at 208.8,80.292 h1; Top Overlay "PB0" at 208.8,82.9 h1
J37: Top Overlay "PA7" at 257.448,65.052 h1; Top Overlay "PA6" at 257.448,67.592 h1; Top Overlay "PA5" at 257.448,70.132 h1; Top Overlay "PA4" at 257.448,72.672 h1; Top Overlay "PA3" at 257.448,75.212 h1; Top Overlay "PA2" at 257.448,77.752 h1; Top Overlay "PA1" at 257.448,80.292 h1; Top Overlay "PA0" at 257.448,82.832 h1
J40: Top Overlay "XTAL1" at 207.4,52.412 h1; Top Overlay "PD4" at 208.73,39.712 h1; Top Overlay "PD3" at 208.73,42.252 h1; Top Overlay "PD2" at 208.73,44.792 h1; Top Overlay "PD1" at 208.73,47.332 h1; Top Overlay "PD0" at 208.73,49.872 h1; Top Overlay "XTAL2" at 207.4,54.952 h1; Top Overlay "GND" at 208.73,57.492 h1
J41: Top Overlay "PC1" at 257.448,39.712 h1; Top Overlay "PC2" at 257.448,42.252 h1; Top Overlay "PC3" at 257.448,44.792 h1; Top Overlay "PC4" at 257.448,47.332 h1; Top Overlay "PC5" at 257.448,49.872 h1; Top Overlay "PC6" at 257.448,52.412 h1; Top Overlay "PC7" at 257.448,54.952 h1; Top Overlay "AVCC" at 257.448,57.492 h1
J49: Top Overlay "2" at 184.648,78.137 h1; Top Overlay "1" at 184.928,75.47 h1
P1: Top Overlay "6" at 169.126,9 h1 r180; Top Overlay "1" at 169.126,11.54 h1 r180; Top Overlay "5" at 154.394,11.54 h1 r180; Top Overlay "9" at 155.41,9 h1 r180
S2: Top Overlay "ON" at 37.449,56.187 h0.75 r90; Top Overlay "1" at 38.849,48.187 h0.7 r90; Top Overlay "8" at 56.64,47.891 h0.7 r90
S3: Top Overlay "ON" at 28.537,35.416 h0.8 r270